# KiCad board rabbit_mask_backup.kicad_pcb (continued)
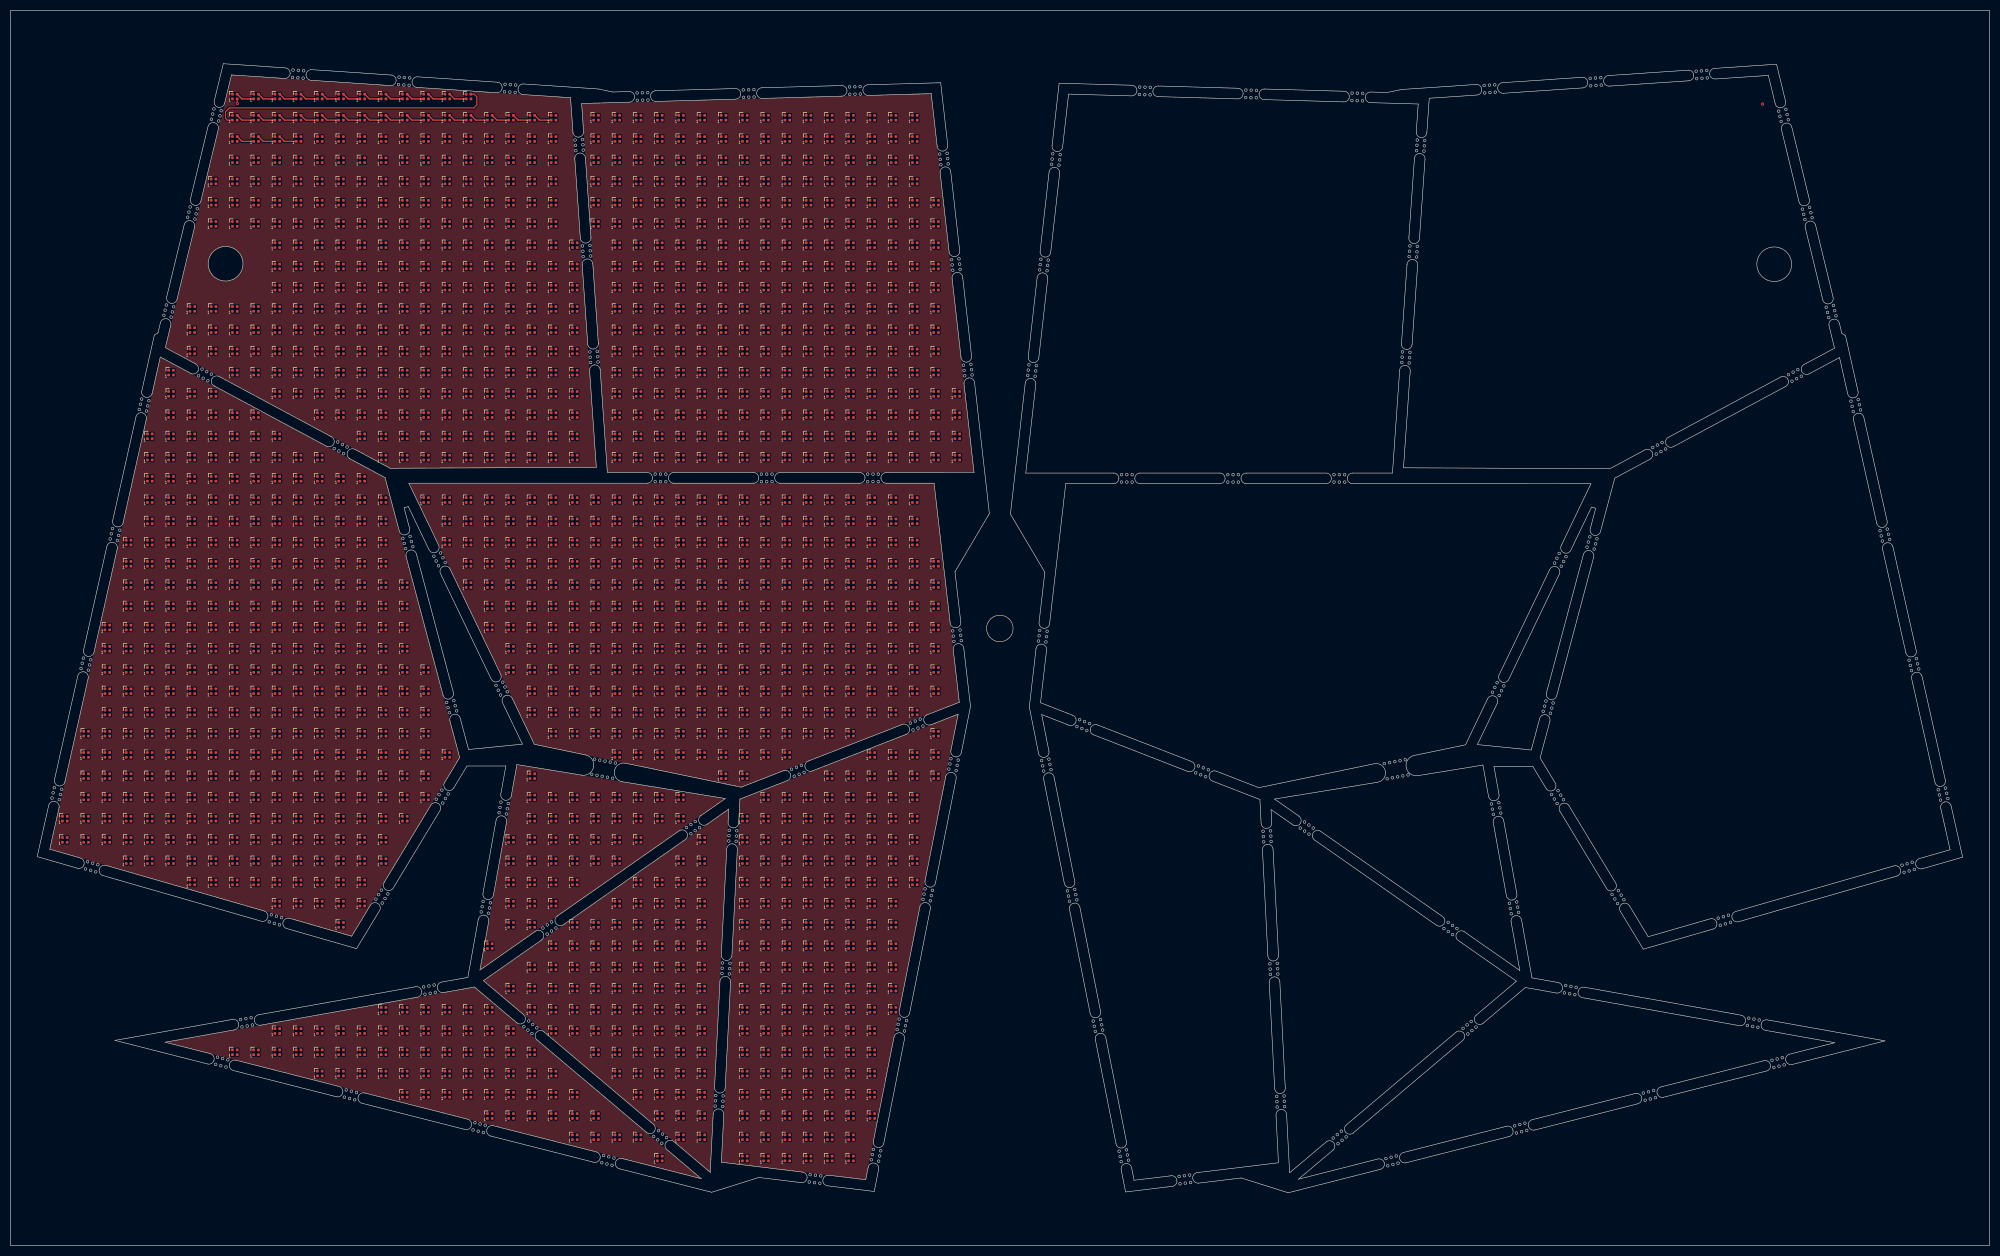
[diagram p0: board, top side]
## Nets (continued)
Net-(D126-DOUT): D126.3 D127.1
Net-(D127-DIN): D127.3 D128.1
Net-(D128-DIN): D128.3 D129.1
Net-(D129-DIN): D129.3 D130.1
Net-(D130-DIN): D130.3 D131.1
Net-(D131-DIN): D131.3 D132.1
Net-(D132-DIN): D132.3 D133.1
Net-(D133-DIN): D133.3 D134.1
Net-(D134-DIN): D134.3 D135.1
Net-(D135-DIN): D135.3 D136.1
Net-(D136-DIN): D136.3 D137.1
Net-(D137-DIN): D137.3 D138.1
Net-(D138-DIN): D138.3 D139.1
Net-(D139-DIN): D139.3 D140.1
Net-(D140-DIN): D140.3 D141.1
Net-(D141-DOUT): D141.3 D159.1
Net-(D142-DOUT): D142.3 D143.1
Net-(D143-DIN): D143.3 D144.1
Net-(D144-DIN): D144.3 D145.1
Net-(D145-DIN): D145.3 D146.1
Net-(D146-DIN): D146.3 D147.1
Net-(D147-DIN): D147.3 D148.1
Net-(D148-DIN): D148.3 D149.1
Net-(D149-DIN): D149.3 D150.1
Net-(D150-DIN): D150.3 D151.1
Net-(D151-DIN): D151.3 D152.1
Net-(D152-DIN): D152.3 D153.1
Net-(D153-DIN): D153.3 D154.1
Net-(D154-DIN): D154.3 D155.1
Net-(D155-DIN): D155.3 D156.1
Net-(D156-DIN): D156.3 D157.1
Net-(D157-DIN): D157.3 D158.1
Net-(D158-DOUT): D158.3 D176.1
Net-(D159-DOUT): D159.3 D160.1
Net-(D160-DIN): D160.3 D161.1
Net-(D161-DIN): D161.3 D162.1
Net-(D162-DIN): D162.3 D163.1
Net-(D163-DIN): D163.3 D164.1
Net-(D164-DIN): D164.3 D165.1
Net-(D165-DIN): D165.3 D166.1
Net-(D166-DIN): D166.3 D167.1
Net-(D167-DIN): D167.3 D168.1
Net-(D168-DIN): D168.3 D169.1
Net-(D169-DIN): D169.3 D170.1
Net-(D170-DIN): D170.3 D171.1
Net-(D171-DIN): D171.3 D172.1
Net-(D172-DIN): D172.3 D173.1
Net-(D173-DIN): D173.3 D174.1
Net-(D174-DIN): D174.3 D175.1
Net-(D175-DOUT): D175.3 D193.1
Net-(D176-DOUT): D176.3 D177.1
Net-(D177-DIN): D177.3 D178.1
Net-(D178-DIN): D178.3 D179.1
Net-(D179-DIN): D179.3 D180.1
Net-(D180-DIN): D180.3 D181.1
Net-(D181-DIN): D181.3 D182.1
Net-(D182-DIN): D182.3 D183.1
Net-(D183-DIN): D183.3 D184.1
Net-(D184-DIN): D184.3 D185.1
Net-(D185-DIN): D185.3 D186.1
Net-(D186-DIN): D186.3 D187.1
Net-(D187-DIN): D187.3 D188.1
Net-(D188-DIN): D188.3 D189.1
Net-(D189-DIN): D189.3 D190.1
Net-(D190-DIN): D190.3 D191.1
Net-(D191-DIN): D191.3 D192.1
Net-(D192-DOUT): D192.3 D210.1
Net-(D193-DOUT): D193.3 D194.1
Net-(D194-DIN): D194.3 D195.1
Net-(D195-DIN): D195.3 D196.1
Net-(D196-DIN): D196.3 D197.1
Net-(D197-DIN): D197.3 D198.1
Net-(D198-DIN): D198.3 D199.1
Net-(D199-DIN): D199.3 D200.1
Net-(D200-DIN): D200.3 D201.1
Net-(D201-DIN): D201.3 D202.1
Net-(D202-DIN): D202.3 D203.1
Net-(D203-DIN): D203.3 D204.1
Net-(D204-DIN): D204.3 D205.1
Net-(D205-DIN): D205.3 D206.1
Net-(D206-DIN): D206.3 D207.1
Net-(D207-DIN): D207.3 D208.1
Net-(D208-DIN): D208.3 D209.1
Net-(D209-DOUT): D209.3 D225.1
Net-(D210-DOUT): D210.3 D211.1
Net-(D211-DIN): D211.3 D212.1
Net-(D212-DIN): D212.3 D213.1
Net-(D213-DIN): D213.3 D214.1
Net-(D214-DIN): D214.3 D215.1
Net-(D215-DIN): D215.3 D216.1
Net-(D216-DIN): D216.3 D217.1
Net-(D217-DIN): D217.3 D218.1
Net-(D218-DIN): D218.3 D219.1
Net-(D219-DIN): D219.3 D220.1
Net-(D220-DIN): D220.3 D221.1
Net-(D221-DIN): D221.3 D222.1
Net-(D222-DIN): D222.3 D223.1
Net-(D223-DIN): D223.3 D224.1
Net-(D224-DOUT): D224.3 D241.1
Net-(D225-DOUT): D225.3 D226.1
Net-(D226-DIN): D226.3 D227.1
Net-(D227-DIN): D227.3 D228.1
Net-(D228-DIN): D228.3 D229.1
Net-(D229-DIN): D229.3 D230.1
Net-(D230-DIN): D230.3 D231.1
Net-(D231-DIN): D231.3 D232.1
Net-(D232-DIN): D232.3 D233.1
Net-(D233-DIN): D233.3 D234.1
Net-(D234-DIN): D234.3 D235.1
Net-(D235-DIN): D235.3 D236.1
Net-(D236-DIN): D236.3 D237.1
Net-(D237-DIN): D237.3 D238.1
Net-(D238-DIN): D238.3 D239.1
Net-(D239-DIN): D239.3 D240.1
Net-(D240-DOUT): D240.3 D256.1
Net-(D241-DOUT): D241.3 D242.1
Net-(D242-DIN): D242.3 D243.1
Net-(D243-DIN): D243.3 D244.1
Net-(D244-DIN): D244.3 D245.1
Net-(D245-DIN): D245.3 D246.1
Net-(D246-DIN): D246.3 D247.1
Net-(D247-DIN): D247.3 D248.1
Net-(D248-DIN): D248.3 D249.1
Net-(D249-DIN): D249.3 D250.1
Net-(D250-DIN): D250.3 D251.1
Net-(D251-DIN): D251.3 D252.1
Net-(D252-DIN): D252.3 D253.1
Net-(D253-DIN): D253.3 D254.1
Net-(D254-DIN): D254.3 D255.1
Net-(D255-DOUT): D255.3 D272.1
Net-(D256-DOUT): D256.3 D257.1
Net-(D257-DIN): D257.3 D258.1
Net-(D258-DIN): D258.3 D259.1
Net-(D259-DIN): D259.3 D260.1
Net-(D260-DIN): D260.3 D261.1
Net-(D261-DIN): D261.3 D262.1
Net-(D262-DIN): D262.3 D263.1
Net-(D263-DIN): D263.3 D264.1
Net-(D264-DIN): D264.3 D265.1
Net-(D265-DIN): D265.3 D266.1
Net-(D266-DIN): D266.3 D267.1
Net-(D267-DIN): D267.3 D268.1
Net-(D268-DIN): D268.3 D269.1
Net-(D269-DIN): D269.3 D270.1
Net-(D270-DIN): D270.3 D271.1
Net-(D271-DOUT): D271.3 D287.1
Net-(D272-DOUT): D272.3 D273.1
Net-(D273-DIN): D273.3 D274.1
Net-(D274-DIN): D274.3 D275.1
Net-(D275-DIN): D275.3 D276.1
Net-(D276-DIN): D276.3 D277.1
Net-(D277-DIN): D277.3 D278.1
Net-(D278-DIN): D278.3 D279.1
Net-(D279-DIN): D279.3 D280.1
Net-(D280-DIN): D280.3 D281.1
Net-(D281-DIN): D281.3 D282.1
Net-(D282-DIN): D282.3 D283.1
Net-(D283-DIN): D283.3 D284.1
Net-(D284-DIN): D284.3 D285.1
Net-(D285-DIN): D285.3 D286.1
Net-(D286-DOUT): D286.3 D303.1
Net-(D287-DOUT): D287.3 D288.1
Net-(D288-DIN): D288.3 D289.1
Net-(D289-DIN): D289.3 D290.1
Net-(D290-DIN): D290.3 D291.1
Net-(D291-DIN): D291.3 D292.1
Net-(D292-DIN): D292.3 D293.1
Net-(D293-DIN): D293.3 D294.1
Net-(D294-DIN): D294.3 D295.1
Net-(D295-DIN): D295.3 D296.1
Net-(D296-DIN): D296.3 D297.1
Net-(D297-DIN): D297.3 D298.1
Net-(D298-DIN): D298.3 D299.1
Net-(D299-DIN): D299.3 D300.1
Net-(D300-DIN): D300.3 D301.1
Net-(D301-DIN): D301.3 D302.1
Net-(D302-DOUT): D302.3 D322.1
Net-(D303-DOUT): D303.3 D304.1
Net-(D304-DIN): D304.3 D305.1
Net-(D305-DIN): D305.3 D306.1
Net-(D306-DIN): D306.3 D307.1
Net-(D307-DIN): D307.3 D308.1
Net-(D308-DIN): D308.3 D309.1
Net-(D309-DIN): D309.3 D310.1
Net-(D310-DIN): D310.3 D311.1
Net-(D311-DIN): D311.3 D312.1
Net-(D312-DIN): D312.3 D313.1
Net-(D313-DIN): D313.3 D314.1
Net-(D314-DIN): D314.3 D315.1
Net-(D315-DIN): D315.3 D316.1
Net-(D316-DIN): D316.3 D317.1
Net-(D317-DIN): D317.3 D318.1
Net-(D318-DIN): D318.3 D319.1
Net-(D319-DIN): D319.3 D320.1
Net-(D320-DIN): D320.3 D321.1
Net-(D321-DOUT): D321.3 D338.1
Net-(D322-DOUT): D322.3 D323.1
Net-(D323-DIN): D323.3 D324.1
Net-(D324-DIN): D324.3 D325.1
Net-(D325-DIN): D325.3 D326.1
Net-(D326-DIN): D326.3 D327.1
Net-(D327-DIN): D327.3 D328.1
Net-(D328-DIN): D328.3 D329.1
Net-(D329-DIN): D329.3 D330.1
Net-(D330-DIN): D330.3 D331.1
Net-(D331-DIN): D331.3 D332.1
Net-(D332-DIN): D332.3 D333.1
Net-(D333-DIN): D333.3 D334.1
Net-(D334-DIN): D334.3 D335.1
Net-(D335-DIN): D335.3 D336.1
Net-(D336-DIN): D336.3 D337.1
Net-(D337-DOUT): D337.3 D357.1
Net-(D338-DOUT): D338.3 D339.1
Net-(D339-DIN): D339.3 D340.1
Net-(D340-DIN): D340.3 D341.1
Net-(D341-DIN): D341.3 D342.1
Net-(D342-DIN): D342.3 D343.1
Net-(D343-DIN): D343.3 D344.1
Net-(D344-DIN): D344.3 D345.1
Net-(D345-DIN): D345.3 D346.1
Net-(D346-DIN): D346.3 D347.1
Net-(D347-DIN): D347.3 D348.1
Net-(D348-DIN): D348.3 D349.1
Net-(D349-DIN): D349.3 D350.1
Net-(D350-DIN): D350.3 D351.1
Net-(D351-DIN): D351.3 D352.1
Net-(D352-DIN): D352.3 D353.1
Net-(D353-DIN): D353.3 D354.1
Net-(D354-DIN): D354.3 D355.1
Net-(D355-DIN): D355.3 D356.1
Net-(D356-DOUT): D356.3 D373.1
Net-(D357-DOUT): D357.3 D358.1
Net-(D358-DIN): D358.3 D359.1
Net-(D359-DIN): D359.3 D360.1
Net-(D360-DIN): D360.3 D361.1
Net-(D361-DIN): D361.3 D362.1
Net-(D362-DIN): D362.3 D363.1
Net-(D363-DIN): D363.3 D364.1
Net-(D364-DIN): D364.3 D365.1
Net-(D365-DIN): D365.3 D366.1
Net-(D366-DIN): D366.3 D367.1
Net-(D367-DIN): D367.3 D368.1
Net-(D368-DIN): D368.3 D369.1
Net-(D369-DIN): D369.3 D370.1
Net-(D370-DIN): D370.3 D371.1
Net-(D371-DIN): D371.3 D372.1
Net-(D372-DOUT): D372.3 D392.1
Net-(D373-DOUT): D373.3 D374.1
Net-(D374-DIN): D374.3 D375.1
Net-(D375-DIN): D375.3 D376.1
Net-(D376-DIN): D376.3 D377.1
Net-(D377-DIN): D377.3 D378.1
Net-(D378-DIN): D378.3 D379.1
Net-(D379-DIN): D379.3 D380.1
Net-(D380-DIN): D380.3 D381.1
Net-(D381-DIN): D381.3 D382.1
Net-(D382-DIN): D382.3 D383.1
Net-(D383-DIN): D383.3 D384.1
Net-(D384-DIN): D384.3 D385.1
Net-(D385-DIN): D385.3 D386.1
Net-(D386-DIN): D386.3 D387.1
Net-(D387-DIN): D387.3 D388.1
Net-(D388-DIN): D388.3 D389.1
Net-(D389-DIN): D389.3 D390.1
Net-(D390-DIN): D390.3 D391.1
Net-(D391-DOUT): D391.3 D409.1
Net-(D392-DOUT): D392.3 D393.1
Net-(D393-DIN): D393.3 D394.1
Net-(D394-DIN): D394.3 D395.1
Net-(D395-DIN): D395.3 D396.1
Net-(D396-DIN): D396.3 D397.1
Net-(D397-DIN): D397.3 D398.1
Net-(D398-DIN): D398.3 D399.1
Net-(D399-DIN): D399.3 D400.1
Net-(D400-DIN): D400.3 D401.1
Net-(D401-DIN): D401.3 D402.1
Net-(D402-DIN): D402.3 D403.1
Net-(D403-DIN): D403.3 D404.1
Net-(D404-DIN): D404.3 D405.1
Net-(D405-DIN): D405.3 D406.1
Net-(D406-DIN): D406.3 D407.1
Net-(D407-DOUT): D407.3 D426.1
Net-(D408-DOUT): D408.3 D442.1
Net-(D409-DOUT): D409.3 D410.1
Net-(D410-DIN): D410.3 D411.1
Net-(D411-DIN): D411.3 D412.1
Net-(D412-DIN): D412.3 D413.1
Net-(D413-DIN): D413.3 D414.1
Net-(D414-DIN): D414.3 D415.1
Net-(D415-DIN): D415.3 D416.1
Net-(D416-DIN): D416.3 D417.1
Net-(D417-DIN): D417.3 D418.1
Net-(D418-DIN): D418.3 D419.1
Net-(D419-DIN): D419.3 D420.1
Net-(D420-DIN): D420.3 D421.1
Net-(D421-DIN): D421.3 D422.1
Net-(D422-DIN): D422.3 D423.1
Net-(D423-DIN): D423.3 D424.1
Net-(D424-DIN): D424.3 D425.1
Net-(D425-DOUT): D425.3 D445.1
Net-(D426-DOUT): D426.3 D427.1
Net-(D427-DIN): D427.3 D428.1
Net-(D428-DIN): D428.3 D429.1
Net-(D429-DIN): D429.3 D430.1
Net-(D430-DIN): D430.3 D431.1
Net-(D431-DIN): D431.3 D432.1
Net-(D432-DIN): D432.3 D433.1
Net-(D433-DIN): D433.3 D434.1
Net-(D434-DIN): D434.3 D435.1
Net-(D435-DIN): D435.3 D436.1
Net-(D436-DIN): D436.3 D437.1
Net-(D437-DIN): D437.3 D438.1
Net-(D438-DIN): D438.3 D439.1
Net-(D439-DIN): D439.3 D440.1
Net-(D440-DIN): D440.3 D441.1
Net-(D441-DOUT): D441.3 D460.1
Net-(D442-DOUT): D442.3 D443.1
Net-(D443-DIN): D443.3 D444.1
Net-(D444-DOUT): D444.3 D477.1
Net-(D445-DOUT): D445.3 D446.1
Net-(D446-DIN): D446.3 D447.1
Net-(D447-DIN): D447.3 D448.1
Net-(D448-DIN): D448.3 D449.1
Net-(D449-DIN): D449.3 D450.1
Net-(D450-DIN): D450.3 D451.1
Net-(D451-DIN): D451.3 D452.1
Net-(D452-DIN): D452.3 D453.1
Net-(D453-DIN): D453.3 D454.1
Net-(D454-DIN): D454.3 D455.1
Net-(D455-DIN): D455.3 D456.1
Net-(D456-DIN): D456.3 D457.1
Net-(D457-DIN): D457.3 D458.1
Net-(D458-DIN): D458.3 D459.1
Net-(D459-DOUT): D459.3 D482.1
Net-(D460-DOUT): D460.3 D461.1
Net-(D461-DIN): D461.3 D462.1
Net-(D462-DIN): D462.3 D463.1
Net-(D463-DIN): D463.3 D464.1
Net-(D464-DIN): D464.3 D465.1
Net-(D465-DIN): D465.3 D466.1
Net-(D466-DIN): D466.3 D467.1
Net-(D467-DIN): D467.3 D468.1
Net-(D468-DIN): D468.3 D469.1
Net-(D469-DIN): D469.3 D470.1
Net-(D470-DIN): D470.3 D471.1
Net-(D471-DIN): D471.3 D472.1
Net-(D472-DIN): D472.3 D473.1
Net-(D473-DIN): D473.3 D474.1
Net-(D474-DIN): D474.3 D475.1
Net-(D475-DIN): D475.3 D476.1
Net-(D476-DOUT): D476.3 D495.1
Net-(D477-DOUT): D477.3 D478.1
Net-(D478-DIN): D478.3 D479.1
Net-(D479-DIN): D479.3 D480.1
Net-(D480-DIN): D480.3 D481.1
Net-(D481-DOUT): D481.3 D512.1
Net-(D482-DOUT): D482.3 D483.1
Net-(D483-DIN): D483.3 D484.1
Net-(D484-DIN): D484.3 D485.1
Net-(D485-DIN): D485.3 D486.1
Net-(D486-DIN): D486.3 D487.1
Net-(D487-DIN): D487.3 D488.1
Net-(D488-DIN): D488.3 D489.1
Net-(D489-DIN): D489.3 D490.1
Net-(D490-DIN): D490.3 D491.1
Net-(D491-DIN): D491.3 D492.1
Net-(D492-DIN): D492.3 D493.1
Net-(D493-DIN): D493.3 D494.1
Net-(D494-DOUT): D494.3 D519.1
Net-(D495-DOUT): D495.3 D496.1
Net-(D496-DIN): D496.3 D497.1
Net-(D497-DIN): D497.3 D498.1
Net-(D498-DIN): D498.3 D499.1
Net-(D499-DIN): D499.3 D500.1
Net-(D500-DIN): D500.3 D501.1
Net-(D501-DIN): D501.3 D502.1
Net-(D502-DIN): D502.3 D503.1
Net-(D503-DIN): D503.3 D504.1
Net-(D504-DIN): D504.3 D505.1
Net-(D505-DIN): D505.3 D506.1
Net-(D506-DIN): D506.3 D507.1
Net-(D507-DIN): D507.3 D508.1
Net-(D508-DIN): D508.3 D509.1
Net-(D509-DIN): D509.3 D510.1
Net-(D510-DIN): D510.3 D511.1
Net-(D511-DOUT): D511.3 D530.1
Net-(D512-DOUT): D512.3 D513.1
Net-(D513-DIN): D513.3 D514.1
Net-(D514-DIN): D514.3 D515.1
Net-(D515-DIN): D515.3 D516.1
Net-(D516-DIN): D516.3 D517.1
Net-(D517-DIN): D517.3 D518.1
Net-(D518-DOUT): D518.3 D547.1
Net-(D519-DOUT): D519.3 D520.1
Net-(D520-DIN): D520.3 D521.1
Net-(D521-DIN): D521.3 D522.1
Net-(D522-DIN): D522.3 D523.1
Net-(D523-DIN): D523.3 D524.1
Net-(D524-DIN): D524.3 D525.1
Net-(D525-DIN): D525.3 D526.1
Net-(D526-DIN): D526.3 D527.1
Net-(D527-DIN): D527.3 D528.1
Net-(D528-DIN): D528.3 D529.1
Net-(D529-DOUT): D529.3 D556.1
Net-(D530-DOUT): D530.3 D531.1
Net-(D531-DIN): D531.3 D532.1
Net-(D532-DIN): D532.3 D533.1
Net-(D533-DIN): D533.3 D534.1
Net-(D534-DIN): D534.3 D535.1
Net-(D535-DIN): D535.3 D536.1
Net-(D536-DIN): D536.3 D537.1
Net-(D537-DIN): D537.3 D538.1
Net-(D538-DIN): D538.3 D539.1
Net-(D539-DIN): D539.3 D540.1
Net-(D540-DIN): D540.3 D541.1
Net-(D541-DIN): D541.3 D542.1
Net-(D542-DIN): D542.3 D543.1
Net-(D543-DIN): D543.3 D544.1
Net-(D544-DIN): D544.3 D545.1
Net-(D545-DIN): D545.3 D546.1
Net-(D546-DOUT): D546.3 D566.1
Net-(D547-DOUT): D547.3 D548.1
Net-(D548-DIN): D548.3 D549.1
Net-(D549-DIN): D549.3 D550.1
Net-(D550-DIN): D550.3 D551.1
Net-(D551-DIN): D551.3 D552.1
Net-(D552-DIN): D552.3 D553.1
Net-(D553-DIN): D553.3 D554.1
Net-(D554-DIN): D554.3 D555.1
Net-(D555-DOUT): D555.3 D583.1
Net-(D556-DOUT): D556.3 D557.1
Net-(D557-DIN): D557.3 D558.1
Net-(D558-DIN): D558.3 D559.1
Net-(D559-DIN): D559.3 D560.1
Net-(D560-DIN): D560.3 D561.1
Net-(D561-DIN): D561.3 D562.1
Net-(D562-DIN): D562.3 D563.1
Net-(D563-DIN): D563.3 D564.1
Net-(D564-DIN): D564.3 D565.1
Net-(D566-DOUT): D566.3 D567.1
Net-(D567-DIN): D567.3 D568.1
Net-(D568-DIN): D568.3 D569.1
Net-(D569-DIN): D569.3 D570.1
Net-(D570-DIN): D570.3 D571.1
Net-(D571-DIN): D571.3 D572.1
Net-(D572-DIN): D572.3 D573.1
Net-(D573-DIN): D573.3 D574.1
Net-(D574-DIN): D574.3 D575.1
Net-(D575-DIN): D575.3 D576.1
Net-(D576-DIN): D576.3 D577.1
Net-(D577-DIN): D577.3 D578.1
Net-(D578-DIN): D578.3 D579.1
Net-(D579-DIN): D579.3 D580.1
Net-(D580-DIN): D580.3 D581.1
Net-(D581-DIN): D581.3 D582.1
Net-(D583-DOUT): D583.3 D584.1
Net-(D584-DIN): D584.3 D585.1
Net-(D585-DIN): D585.3 D586.1
Net-(D586-DIN): D586.3 D587.1
Net-(D587-DIN): D587.3 D588.1
Net-(D588-DIN): D588.3 D589.1
Net-(D589-DIN): D589.3 D590.1
Net-(D590-DIN): D590.3 D591.1
Net-(D591-DIN): D591.3 D592.1
Net-(D592-DIN): D592.3 D593.1
Net-(D593-DOUT): D593.3 D594.1
Net-(D594-DOUT): D594.3 D595.1
Net-(D595-DIN): D595.3 D596.1
Net-(D596-DIN): D596.3 D597.1
Net-(D597-DIN): D597.3 D598.1
Net-(D598-DIN): D598.3 D599.1
Net-(D599-DIN): D599.3 D600.1
Net-(D600-DIN): D600.3 D601.1
Net-(D601-DIN): D601.3 D602.1
Net-(D602-DIN): D602.3 D603.1
Net-(D603-DIN): D603.3 D604.1
Net-(D604-DIN): D604.3 D605.1
Net-(D605-DOUT): D605.3 D630.1
Net-(D606-DOUT): D606.3 D607.1
Net-(D607-DIN): D607.3 D608.1
Net-(D608-DIN): D608.3 D609.1
Net-(D609-DIN): D609.3 D610.1
Net-(D610-DIN): D610.3 D611.1
Net-(D611-DIN): D611.3 D612.1
Net-(D612-DIN): D612.3 D613.1
Net-(D613-DIN): D613.3 D614.1
Net-(D614-DIN): D614.3 D615.1
Net-(D615-DIN): D615.3 D616.1
Net-(D616-DIN): D616.3 D617.1
Net-(D617-DIN): D617.3 D618.1
Net-(D618-DIN): D618.3 D619.1
Net-(D619-DIN): D619.3 D620.1
Net-(D620-DIN): D620.3 D621.1
Net-(D621-DIN): D621.3 D622.1
Net-(D622-DIN): D622.3 D623.1
Net-(D623-DIN): D623.3 D624.1
Net-(D624-DIN): D624.3 D625.1
Net-(D625-DIN): D625.3 D626.1
Net-(D626-DIN): D626.3 D627.1
Net-(D627-DIN): D627.3 D628.1
Net-(D628-DIN): D628.3 D629.1
Net-(D629-DOUT): D629.3 D642.1
Net-(D630-DOUT): D630.3 D631.1
Net-(D631-DIN): D631.3 D632.1
Net-(D632-DIN): D632.3 D633.1
Net-(D633-DIN): D633.3 D634.1
Net-(D634-DIN): D634.3 D635.1
Net-(D635-DIN): D635.3 D636.1
Net-(D636-DIN): D636.3 D637.1
Net-(D637-DIN): D637.3 D638.1
Net-(D638-DIN): D638.3 D639.1
Net-(D639-DIN): D639.3 D640.1
Net-(D640-DIN): D640.3 D641.1
Net-(D641-DOUT): D641.3 D665.1
Net-(D642-DOUT): D642.3 D643.1
Net-(D643-DIN): D643.3 D644.1
Net-(D644-DIN): D644.3 D645.1
Net-(D645-DIN): D645.3 D646.1
Net-(D646-DIN): D646.3 D647.1
Net-(D647-DIN): D647.3 D648.1
Net-(D648-DIN): D648.3 D649.1
Net-(D649-DIN): D649.3 D650.1
Net-(D650-DIN): D650.3 D651.1
Net-(D651-DIN): D651.3 D652.1
Net-(D652-DIN): D652.3 D653.1
Net-(D653-DIN): D653.3 D654.1
Net-(D654-DIN): D654.3 D655.1
Net-(D655-DIN): D655.3 D656.1
Net-(D656-DIN): D656.3 D657.1
Net-(D657-DIN): D657.3 D658.1
Net-(D658-DIN): D658.3 D659.1
Net-(D659-DIN): D659.3 D660.1
Net-(D660-DIN): D660.3 D661.1
Net-(D661-DIN): D661.3 D662.1
Net-(D662-DIN): D662.3 D663.1
Net-(D663-DIN): D663.3 D664.1
Net-(D664-DOUT): D664.3 D678.1
Net-(D665-DOUT): D665.3 D666.1
Net-(D666-DIN): D666.3 D667.1
Net-(D667-DIN): D667.3 D668.1
Net-(D668-DIN): D668.3 D669.1
Net-(D669-DIN): D669.3 D670.1
Net-(D670-DIN): D670.3 D671.1
Net-(D671-DIN): D671.3 D672.1
Net-(D672-DIN): D672.3 D673.1
Net-(D673-DIN): D673.3 D674.1
Net-(D674-DIN): D674.3 D675.1
Net-(D675-DIN): D675.3 D676.1
Net-(D676-DIN): D676.3 D677.1
Net-(D677-DOUT): D677.3 D701.1
Net-(D678-DOUT): D678.3 D679.1
Net-(D679-DIN): D679.3 D680.1
Net-(D680-DIN): D680.3 D681.1
Net-(D681-DIN): D681.3 D682.1
Net-(D682-DIN): D682.3 D683.1
Net-(D683-DIN): D683.3 D684.1
Net-(D684-DIN): D684.3 D685.1
Net-(D685-DIN): D685.3 D686.1
Net-(D686-DIN): D686.3 D687.1
Net-(D687-DIN): D687.3 D688.1
Net-(D688-DIN): D688.3 D689.1
Net-(D689-DIN): D689.3 D690.1
Net-(D690-DIN): D690.3 D691.1
Net-(D691-DIN): D691.3 D692.1
Net-(D692-DIN): D692.3 D693.1
Net-(D693-DIN): D693.3 D694.1
Net-(D694-DIN): D694.3 D695.1
Net-(D695-DIN): D695.3 D696.1
Net-(D696-DIN): D696.3 D697.1
Net-(D697-DIN): D697.3 D698.1
Net-(D698-DIN): D698.3 D699.1
Net-(D699-DIN): D699.3 D700.1
Net-(D700-DOUT): D700.3 D714.1
Net-(D701-DOUT): D701.3 D702.1
Net-(D702-DIN): D702.3 D703.1
Net-(D703-DIN): D703.3 D704.1
Net-(D704-DIN): D704.3 D705.1
Net-(D705-DIN): D705.3 D706.1
Net-(D706-DIN): D706.3 D707.1
Net-(D707-DIN): D707.3 D708.1
Net-(D708-DIN): D708.3 D709.1
Net-(D709-DIN): D709.3 D710.1
Net-(D710-DIN): D710.3 D711.1
Net-(D711-DIN): D711.3 D712.1
Net-(D712-DIN): D712.3 D713.1
Net-(D713-DOUT): D713.3 D737.1
Net-(D714-DOUT): D714.3 D715.1
Net-(D715-DIN): D715.3 D716.1
Net-(D716-DIN): D716.3 D717.1
Net-(D717-DIN): D717.3 D718.1
Net-(D718-DIN): D718.3 D719.1
Net-(D719-DIN): D719.3 D720.1
Net-(D720-DIN): D720.3 D721.1
Net-(D721-DIN): D721.3 D722.1
Net-(D722-DIN): D722.3 D723.1
Net-(D723-DIN): D723.3 D724.1
Net-(D724-DIN): D724.3 D725.1
Net-(D725-DIN): D725.3 D726.1
Net-(D726-DIN): D726.3 D727.1
Net-(D727-DIN): D727.3 D728.1
Net-(D728-DIN): D728.3 D729.1
Net-(D729-DIN): D729.3 D730.1
Net-(D730-DIN): D730.3 D731.1
Net-(D731-DIN): D731.3 D732.1
Net-(D732-DIN): D732.3 D733.1
Net-(D733-DIN): D733.3 D734.1
Net-(D734-DIN): D734.3 D735.1
Net-(D735-DIN): D735.3 D736.1
Net-(D736-DOUT): D736.3 D751.1
Net-(D737-DOUT): D737.3 D738.1
Net-(D738-DIN): D738.3 D739.1
Net-(D739-DIN): D739.3 D740.1
Net-(D740-DIN): D740.3 D741.1
Net-(D741-DIN): D741.3 D742.1
Net-(D742-DIN): D742.3 D743.1
Net-(D743-DIN): D743.3 D744.1
Net-(D744-DIN): D744.3 D745.1
Net-(D745-DIN): D745.3 D746.1
Net-(D746-DIN): D746.3 D747.1
Net-(D747-DIN): D747.3 D748.1
Net-(D748-DIN): D748.3 D749.1
Net-(D749-DIN): D749.3 D750.1
Net-(D750-DOUT): D750.3 D774.1
Net-(D751-DOUT): D751.3 D752.1
Net-(D752-DIN): D752.3 D753.1
Net-(D753-DIN): D753.3 D754.1
Net-(D754-DIN): D754.3 D755.1
Net-(D755-DIN): D755.3 D756.1
Net-(D756-DIN): D756.3 D757.1
Net-(D757-DIN): D757.3 D758.1
Net-(D758-DIN): D758.3 D759.1
Net-(D759-DIN): D759.3 D760.1
Net-(D760-DIN): D760.3 D761.1
Net-(D761-DIN): D761.3 D762.1
Net-(D762-DIN): D762.3 D763.1
Net-(D763-DIN): D763.3 D764.1
Net-(D764-DIN): D764.3 D765.1
Net-(D765-DIN): D765.3 D766.1
Net-(D766-DIN): D766.3 D767.1
Net-(D767-DIN): D767.3 D768.1
Net-(D768-DIN): D768.3 D769.1
Net-(D769-DIN): D769.3 D770.1
Net-(D770-DIN): D770.3 D771.1
Net-(D771-DIN): D771.3 D772.1
Net-(D772-DIN): D772.3 D773.1
Net-(D773-DOUT): D773.3 D788.1
Net-(D774-DOUT): D774.3 D775.1
Net-(D775-DIN): D775.3 D776.1
Net-(D776-DIN): D776.3 D777.1
Net-(D777-DIN): D777.3 D778.1
Net-(D778-DIN): D778.3 D779.1
Net-(D779-DIN): D779.3 D780.1
Net-(D780-DIN): D780.3 D781.1
Net-(D781-DIN): D781.3 D782.1
Net-(D782-DIN): D782.3 D783.1
Net-(D783-DIN): D783.3 D784.1
Net-(D784-DIN): D784.3 D785.1
Net-(D785-DIN): D785.3 D786.1
Net-(D786-DIN): D786.3 D787.1
Net-(D787-DOUT): D787.3 D810.1
Net-(D788-DOUT): D788.3 D789.1
Net-(D789-DIN): D789.3 D790.1
Net-(D790-DIN): D790.3 D791.1
Net-(D791-DIN): D791.3 D792.1
Net-(D792-DIN): D792.3 D793.1
Net-(D793-DIN): D793.3 D794.1
Net-(D794-DIN): D794.3 D795.1
Net-(D795-DIN): D795.3 D796.1
Net-(D796-DIN): D796.3 D797.1
Net-(D797-DIN): D797.3 D798.1
Net-(D798-DIN): D798.3 D799.1
Net-(D799-DIN): D799.3 D800.1
Net-(D800-DIN): D800.3 D801.1
Net-(D801-DIN): D801.3 D802.1
Net-(D802-DIN): D802.3 D803.1
Net-(D803-DIN): D803.3 D804.1
Net-(D804-DIN): D804.3 D805.1
Net-(D805-DIN): D805.3 D806.1
Net-(D806-DIN): D806.3 D807.1
Net-(D807-DIN): D807.3 D808.1
Net-(D808-DIN): D808.3 D809.1
Net-(D809-DOUT): D809.3 D825.1
Net-(D810-DOUT): D810.3 D811.1
Net-(D811-DIN): D811.3 D812.1
Net-(D812-DIN): D812.3 D813.1
Net-(D813-DIN): D813.3 D814.1
Net-(D814-DIN): D814.3 D815.1
Net-(D815-DIN): D815.3 D816.1
Net-(D816-DIN): D816.3 D817.1
Net-(D817-DIN): D817.3 D818.1
Net-(D818-DIN): D818.3 D819.1
Net-(D819-DIN): D819.3 D820.1
Net-(D820-DIN): D820.3 D821.1
Net-(D821-DIN): D821.3 D822.1
Net-(D822-DIN): D822.3 D823.1
Net-(D823-DIN): D823.3 D824.1
Net-(D824-DOUT): D824.3 D847.1
Net-(D825-DOUT): D825.3 D826.1
Net-(D826-DIN): D826.3 D827.1
Net-(D827-DIN): D827.3 D828.1
Net-(D828-DIN): D828.3 D829.1
Net-(D829-DIN): D829.3 D830.1
Net-(D830-DIN): D830.3 D831.1
Net-(D831-DIN): D831.3 D832.1
Net-(D832-DIN): D832.3 D833.1
Net-(D833-DIN): D833.3 D834.1
Net-(D834-DIN): D834.3 D835.1
Net-(D835-DIN): D835.3 D836.1
Net-(D836-DIN): D836.3 D837.1
Net-(D837-DIN): D837.3 D838.1
Net-(D838-DIN): D838.3 D839.1
Net-(D839-DIN): D839.3 D840.1
Net-(D840-DIN): D840.3 D841.1
Net-(D841-DIN): D841.3 D842.1
Net-(D842-DIN): D842.3 D843.1
Net-(D843-DIN): D843.3 D844.1
Net-(D844-DIN): D844.3 D845.1
Net-(D845-DIN): D845.3 D846.1
Net-(D846-DOUT): D846.3 D862.1
Net-(D847-DOUT): D847.3 D848.1
Net-(D848-DIN): D848.3 D849.1
Net-(D849-DIN): D849.3 D850.1
Net-(D850-DIN): D850.3 D851.1
Net-(D851-DIN): D851.3 D852.1
Net-(D852-DIN): D852.3 D853.1
Net-(D853-DIN): D853.3 D854.1
Net-(D854-DIN): D854.3 D855.1
Net-(D855-DIN): D855.3 D856.1
Net-(D856-DIN): D856.3 D857.1
Net-(D857-DIN): D857.3 D858.1
Net-(D858-DIN): D858.3 D859.1
Net-(D859-DIN): D859.3 D860.1
Net-(D860-DIN): D860.3 D861.1
Net-(D861-DOUT): D861.3 D883.1
Net-(D862-DOUT): D862.3 D863.1
Net-(D863-DIN): D863.3 D864.1
Net-(D864-DIN): D864.3 D865.1
Net-(D865-DIN): D865.3 D866.1
Net-(D866-DIN): D866.3 D867.1
Net-(D867-DIN): D867.3 D868.1
Net-(D868-DIN): D868.3 D869.1
Net-(D869-DIN): D869.3 D870.1
Net-(D870-DIN): D870.3 D871.1
Net-(D871-DIN): D871.3 D872.1
Net-(D872-DIN): D872.3 D873.1
Net-(D873-DIN): D873.3 D874.1
Net-(D874-DIN): D874.3 D875.1
Net-(D875-DIN): D875.3 D876.1
Net-(D876-DIN): D876.3 D877.1
Net-(D877-DIN): D877.3 D878.1
Net-(D878-DIN): D878.3 D879.1
Net-(D879-DIN): D879.3 D880.1
Net-(D880-DIN): D880.3 D881.1
Net-(D881-DIN): D881.3 D882.1
Net-(D882-DOUT): D882.3 D899.1
Net-(D883-DOUT): D883.3 D884.1
Net-(D884-DIN): D884.3 D885.1
Net-(D885-DIN): D885.3 D886.1
Net-(D886-DIN): D886.3 D887.1
Net-(D887-DIN): D887.3 D888.1
Net-(D888-DIN): D888.3 D889.1
Net-(D889-DIN): D889.3 D890.1
Net-(D890-DIN): D890.3 D891.1
Net-(D891-DIN): D891.3 D892.1
Net-(D892-DIN): D892.3 D893.1
Net-(D893-DIN): D893.3 D894.1
Net-(D894-DIN): D894.3 D895.1
Net-(D895-DIN): D895.3 D896.1
Net-(D896-DIN): D896.3 D897.1
Net-(D897-DIN): D897.3 D898.1
Net-(D898-DOUT): D898.3 D920.1
Net-(D899-DOUT): D899.3 D900.1
Net-(D900-DIN): D900.3 D901.1
Net-(D901-DIN): D901.3 D902.1
Net-(D902-DIN): D902.3 D903.1
Net-(D903-DIN): D903.3 D904.1
Net-(D904-DIN): D904.3 D905.1
Net-(D905-DIN): D905.3 D906.1
Net-(D906-DIN): D906.3 D907.1
Net-(D907-DIN): D907.3 D908.1
Net-(D908-DIN): D908.3 D909.1
Net-(D909-DIN): D909.3 D910.1
Net-(D910-DIN): D910.3 D911.1
Net-(D911-DIN): D911.3 D912.1
Net-(D912-DIN): D912.3 D913.1
Net-(D913-DIN): D913.3 D914.1
Net-(D914-DIN): D914.3 D915.1
Net-(D915-DIN): D915.3 D916.1
Net-(D916-DIN): D916.3 D917.1
Net-(D917-DIN): D917.3 D918.1
Net-(D918-DIN): D918.3 D919.1
Net-(D919-DOUT): D919.3 D936.1
Net-(D920-DOUT): D920.3 D921.1
Net-(D921-DIN): D921.3 D922.1
Net-(D922-DIN): D922.3 D923.1
Net-(D923-DIN): D923.3 D924.1
Net-(D924-DIN): D924.3 D925.1
Net-(D925-DIN): D925.3 D926.1
Net-(D926-DIN): D926.3 D927.1
Net-(D927-DIN): D927.3 D928.1
Net-(D928-DIN): D928.3 D929.1
Net-(D929-DIN): D929.3 D930.1
Net-(D930-DIN): D930.3 D931.1
Net-(D931-DIN): D931.3 D932.1
Net-(D932-DIN): D932.3 D933.1
Net-(D933-DIN): D933.3 D934.1
Net-(D934-DIN): D934.3 D935.1
Net-(D935-DOUT): D935.3 D956.1
Net-(D936-DOUT): D936.3 D937.1
Net-(D937-DIN): D937.3 D938.1
Net-(D938-DIN): D938.3 D939.1
Net-(D939-DIN): D939.3 D940.1
Net-(D940-DIN): D940.3 D941.1
Net-(D941-DIN): D941.3 D942.1
Net-(D942-DIN): D942.3 D943.1
Net-(D943-DIN): D943.3 D944.1
Net-(D944-DIN): D944.3 D945.1
Net-(D945-DIN): D945.3 D946.1
Net-(D946-DIN): D946.3 D947.1
Net-(D947-DIN): D947.3 D948.1
Net-(D948-DIN): D948.3 D949.1
Net-(D949-DIN): D949.3 D950.1
Net-(D950-DIN): D950.3 D951.1
Net-(D951-DIN): D951.3 D952.1
Net-(D952-DIN): D952.3 D953.1
Net-(D953-DIN): D953.3 D954.1
Net-(D954-DIN): D954.3 D955.1
Net-(D955-DOUT): D955.3 D972.1
Net-(D956-DOUT): D956.3 D957.1
